# Altium PCB Reefing System Layout.PcbDoc (part 1 of 3)
Units mil, origin at the board's own origin, x right, y up, seen from the top; angles counter-clockwise.
Board outline 5531.5 x 3129.92 mil, 4 copper layers (Top Layer, Mid-Layer 1, Mid-Layer 2, Bottom Layer), stack 62.135 mil thick; 116 components, 90 nets, 494 pads, 985 vias.
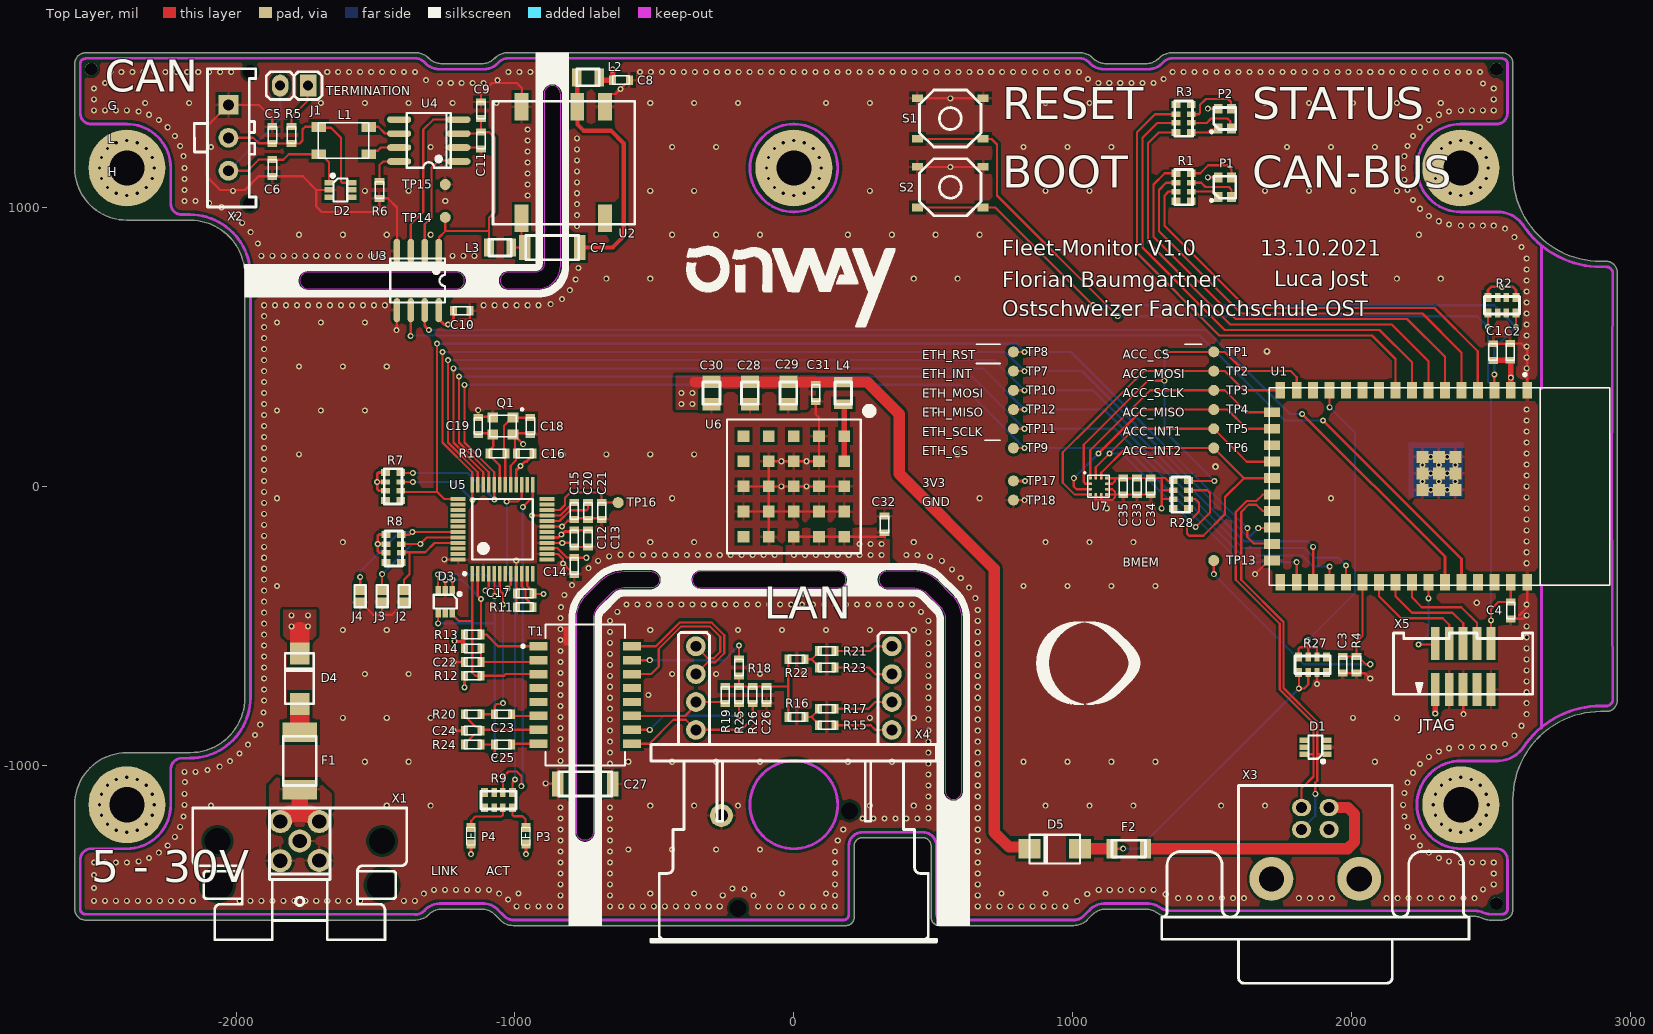
[diagram p0: Top Layer view]
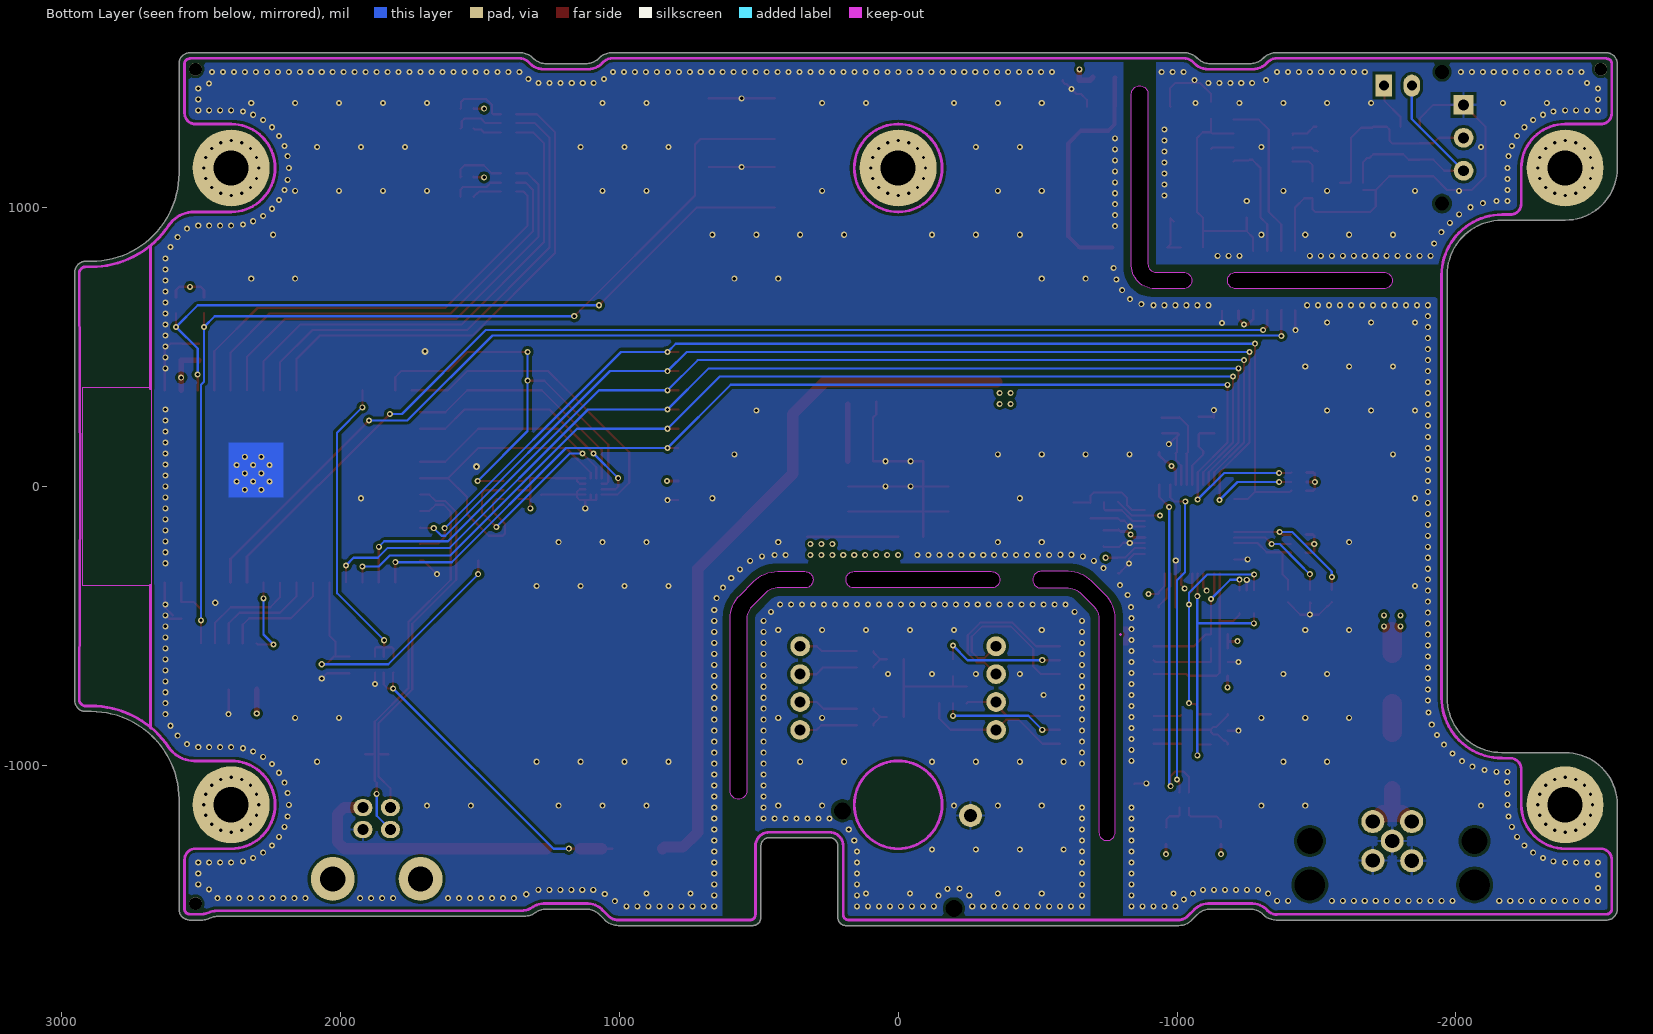
[diagram p1: Bottom Layer view, seen from below]
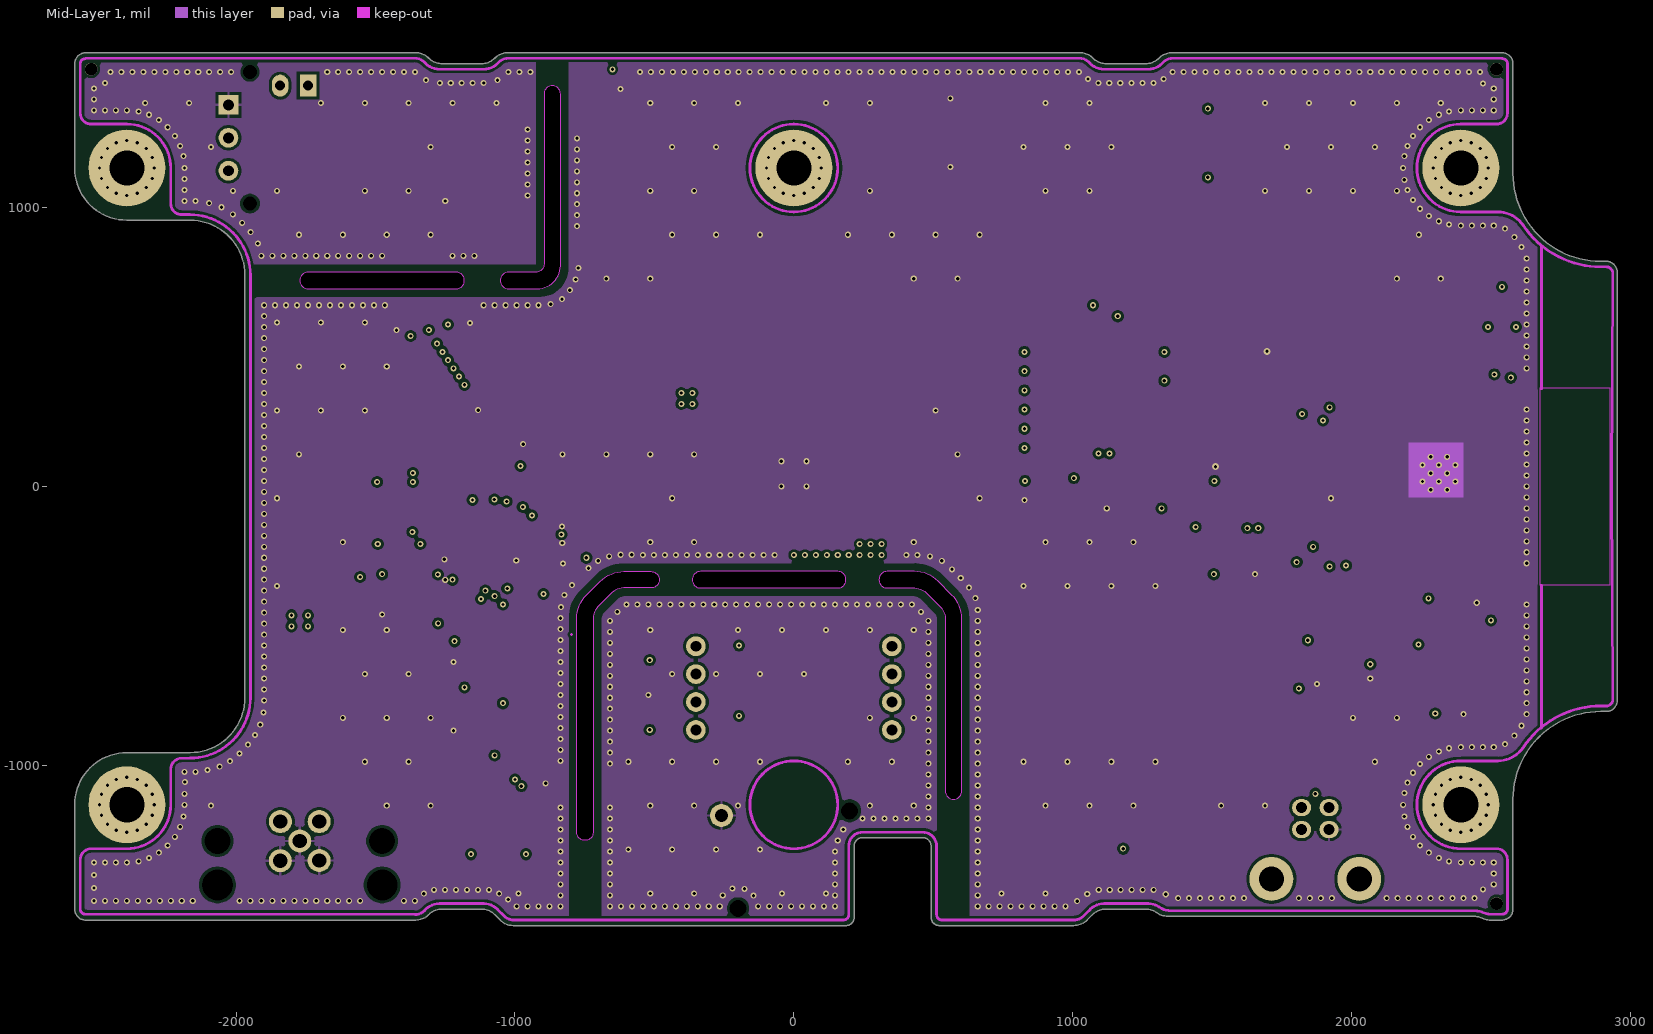
[diagram p2: Mid-Layer 1]
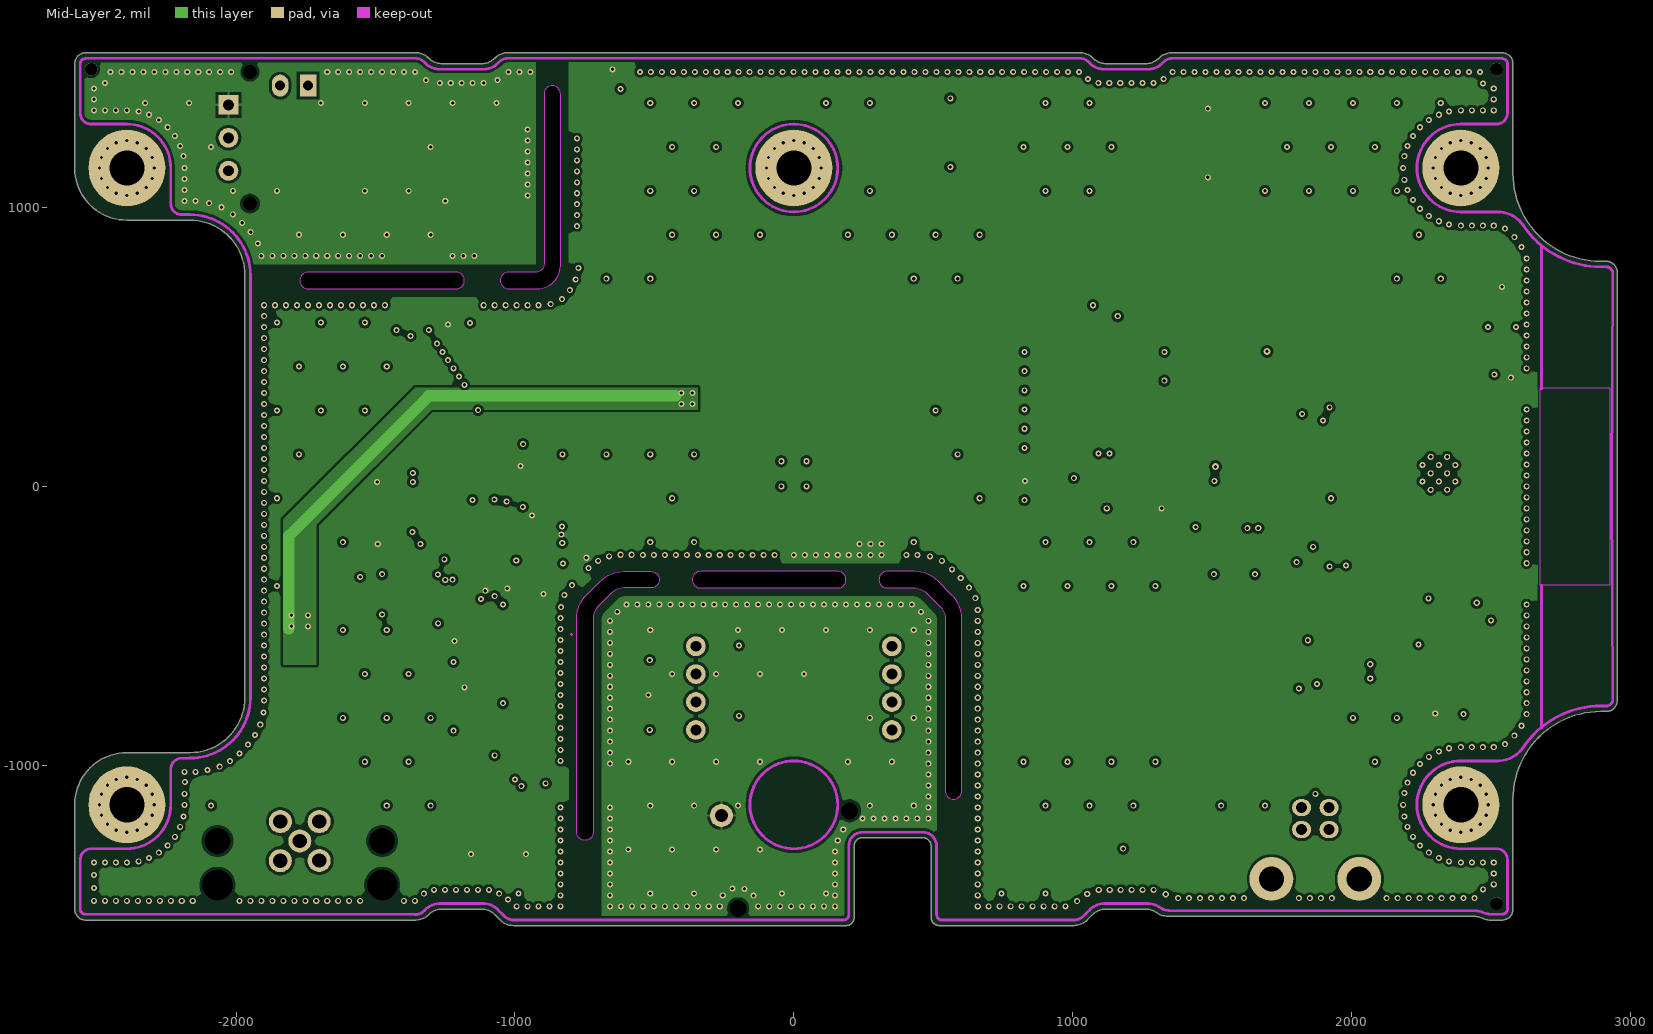
[diagram p3: Mid-Layer 2]
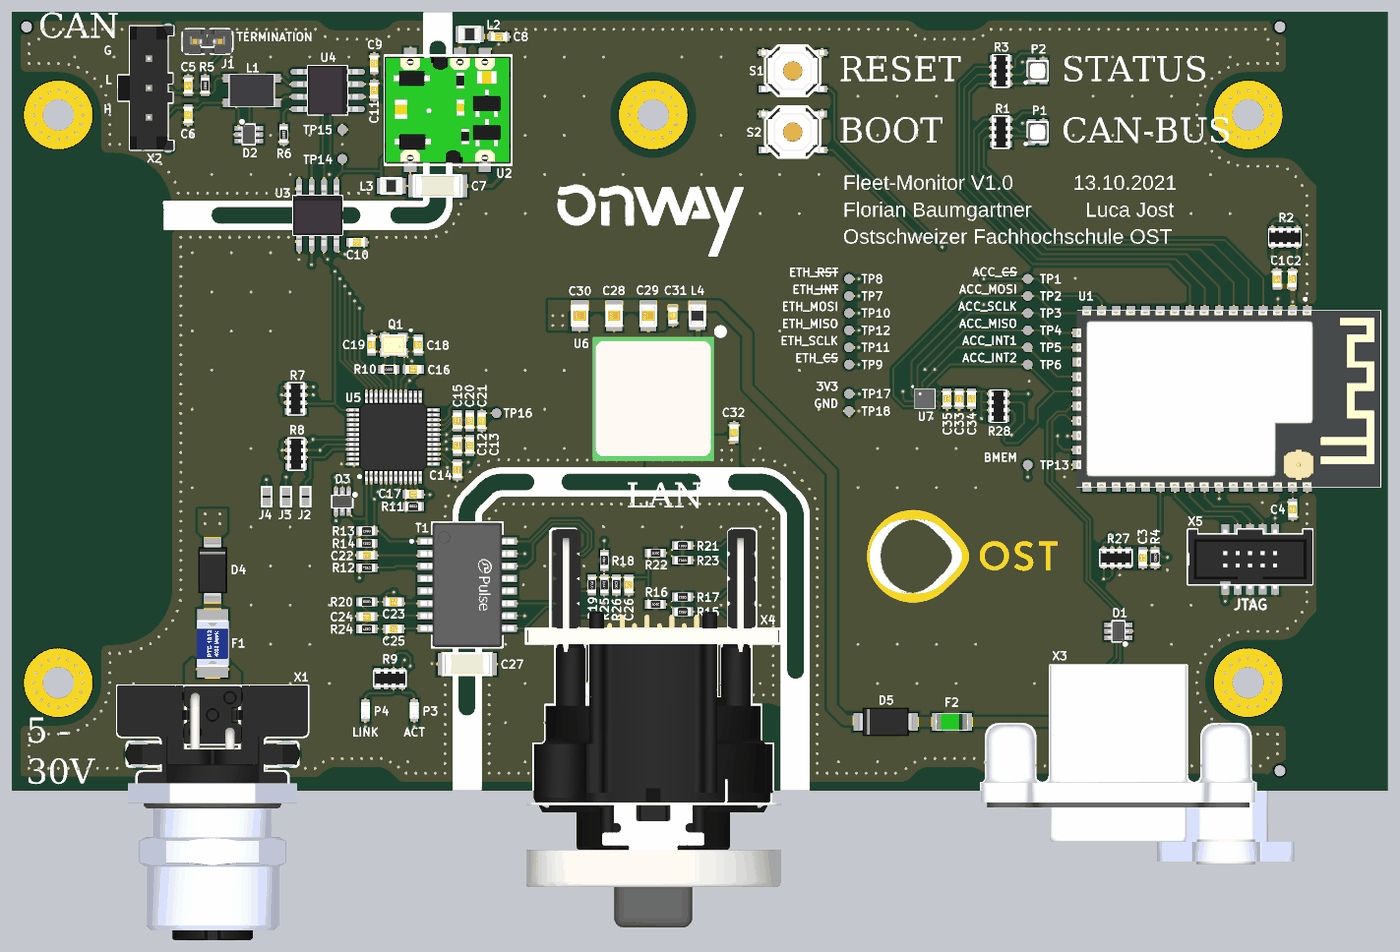
[diagram p6: 3D render of the assembled board from above, using the file's embedded part models]

## Layer stack, top to bottom
Top Solder: solder mask 0.4, Solder Resist, Dk 3.5
Top Layer: signal copper 1.4
Dielectric1: dielectric 7.874, FR-4, Dk 4.8
Mid-Layer 1: signal copper 1.4
Dielectric2: dielectric 40.7874, FR-4, Dk 4.8
Mid-Layer 2: signal copper 1.4
Dielectric3: dielectric 7.874, FR-4, Dk 4.8
Bottom Layer: signal copper 1.4
Bottom Solder: solder mask 0.4, Solder Resist, Dk 3.5

## Board outline
-2539.37,-1555.12 -1356.58,-1555.12 ccw(c-1356.58,-1487.91) -1309.06,-1535.43 cw(c-1261.53,-1582.96) -1261.53,-1515.75 -1120.36,-1515.75 cw(c-1120.36,-1582.96) -1072.83,-1535.43 -1053.15,-1555.12 ccw(c-1005.63,-1507.6) -1005.63,-1574.8 0,-1574.8 187.01,-1574.8 ccw(c187.01,-1545.28) 216.54,-1545.28 216.54,-1289.37 cw(c246.06,-1289.37) 246.06,-1259.84 462.6,-1259.84 cw(c462.6,-1289.37) 492.13,-1289.37 492.13,-1545.28 ccw(c521.65,-1545.28) 521.65,-1574.8 1003.94,-1574.8 ccw(c1003.94,-1507.59) 1051.46,-1555.12 1071.15,-1535.43 cw(c1118.67,-1582.96) 1118.67,-1515.75 1261.53,-1515.75 cw(c1261.53,-1582.96) 1299.36,-1527.4 1302.73,-1529.69 ccw(c1340.55,-1474.13) 1340.55,-1541.34 1870.08,-1541.34 2439.63,-1541.63 cw(c2439.63,-1608.84) 2468.97,-1548.37 ccw(c2498.31,-1487.91) 2498.31,-1555.12 2539.37,-1555.12 ccw(c2539.37,-1515.75) 2578.74,-1515.75 2578.74,-1122.05 cw(c2893.7,-1122.05) 2893.7,-807.09 2913.39,-807.09 ccw(c2913.39,-767.72) 2952.76,-767.72 2952.76,767.72 ccw(c2913.39,767.72) 2913.39,807.09 2893.7,807.09 cw(c2893.7,1122.05) 2578.74,1122.05 2578.74,1515.75 ccw(c2539.37,1515.75) 2539.37,1555.12 1356.58,1555.12 ccw(c1356.58,1487.91) 1309.06,1535.43 cw(c1261.53,1582.96) 1261.53,1515.75 1120.36,1515.75 cw(c1120.36,1582.96) 1072.83,1535.43 ccw(c1025.31,1487.91) 1025.31,1555.12 0,1555.12 -1025.31,1555.12 ccw(c-1025.31,1487.91) -1072.83,1535.43 cw(c-1120.36,1582.96) -1120.36,1515.75 -1261.53,1515.75 cw(c-1261.53,1582.96) -1309.06,1535.43 ccw(c-1356.58,1487.91) -1356.58,1555.12 -2539.37,1555.12 ccw(c-2539.37,1515.75) -2578.74,1515.75 -2578.74,1141.73 ccw(c-2391.73,1141.73) -2391.73,954.72 -2165.35,954.73 cw(c-2165.35,757.87) -1968.5,757.87 -1968.5,-757.87 cw(c-2165.35,-757.87) -2165.35,-954.72 -2391.73,-954.72 ccw(c-2391.73,-1141.73) -2578.74,-1141.73 -2578.74,-1515.75 ccw(c-2539.37,-1515.75)
cut-out: 542.79,-1092.52 ccw(c572.32,-1092.52) 572.32,-1122.05 ccw(c572.32,-1092.52) 601.85,-1092.52 601.85,-474.46 ccw(c481.67,-474.46) 566.65,-389.48 517.64,-340.47 ccw(c432.29,-425.82) 432.28,-305.12 334.65,-305.12 ccw(c334.65,-334.65) 305.12,-334.65 ccw(c334.65,-334.65) 334.65,-364.17 433.07,-364.17 cw(c433.07,-423.92) 475.32,-381.68 525.18,-431.53 cw(c482.67,-474.05) 542.79,-474.05
cut-out: -334.65,-305.12 ccw(c-334.65,-334.64) -364.17,-334.65 ccw(c-334.65,-334.65) -334.65,-364.17 157.48,-364.17 ccw(c157.48,-334.65) 187.01,-334.65 ccw(c157.48,-334.65) 157.48,-305.12
cut-out: -719.96,-1241.61 cw(c-748.03,-1241.61) -748.03,-1269.69 -749.49,-1269.69 cw(c-749.49,-1240.16) -779.01,-1240.16 -779.01,-474.46 cw(c-658.83,-474.46) -743.81,-389.48 -694.8,-340.47 cw(c-609.45,-425.83) -609.45,-305.12 -511.81,-305.12 cw(c-511.81,-334.65) -482.28,-334.65 cw(c-511.81,-334.65) -511.81,-364.17 -610.24,-364.17 ccw(c-610.24,-423.93) -652.49,-381.68 -702.35,-431.53 ccw(c-659.83,-474.05) -719.96,-474.05
cut-out: -1023.62,767.72 ccw(c-1023.62,738.19) -1053.15,738.19 ccw(c-1023.62,738.19) -1023.62,708.66 -919.92,708.66 ccw(c-919.92,791.97) -836.61,791.97 -836.61,1407.48 ccw(c-866.14,1407.48) -866.14,1437.01 ccw(c-866.14,1407.48) -895.67,1407.48 -895.67,797.24 cw(c-925.2,797.24) -925.2,767.72
cut-out: -1742.13,767.72 ccw(c-1742.13,738.19) -1771.65,738.19 ccw(c-1742.13,738.19) -1742.13,708.66 -1210.63,708.66 ccw(c-1210.63,738.19) -1181.1,738.19 ccw(c-1210.63,738.19) -1210.63,767.72

## Design rules (kind name [scope] priority, off if disabled: settings)
Clearance Clearance_Via [isvia AND (AsMM(HoleDiameter) = 0.2) vs isvia AND (AsMM(HoleDiameter) = 0.2)] p1: gap=9.84 ignorepadtopadclearanceinfootprint=FALSE
Clearance Clearance_Poly [InPolygon] p2: gap=10 ignorepadtopadclearanceinfootprint=FALSE
Clearance [All] p3: gap=3.5 ignorepadtopadclearanceinfootprint=FALSE except(5: SMDPad-SMDPad)
ComponentClearance [Height > 0] p1: gap=0 collisioncheckmode=3 verticalgap=1.57 showdistances=TRUE
DiffPairsRouting [All] p1: maxlimit=100 minlimit=3.5 mostfreqgap=6 toplayer_minwidth=6 toplayer_maxwidth=15 toplayer_prefwidth=6 midlayer1_minwidth=6 midlayer1_maxwidth=15 midlayer1_prefwidth=6 midlayer2_minwidth=6 midlayer2_maxwidth=15 midlayer2_prefwidth=6 bottomlayer_minwidth=6 bottomlayer_maxwidth=15 bottomlayer_prefwidth=6 maxuncoupledlength=500
Height [All] p1: minheight=0 maxheight=5905.51 prefheight=78.74
HoleSize [All] p1: absolutevalues=TRUE maxlimit=500 minlimit=7.87 maxpercent=80.000 minpercent=20.000
HoleToHoleClearance [InDrillLayerPair('Top Layer - Bottom Layer')] p1: gap=19.68 allowstackedmicrovias=FALSE
MinimumAnnularRing [All] p1: minimumring=3.94
MinimumSolderMaskSliver [All] p1: minsoldermaskwidth=0
PlaneConnect [All] p1: pad.planeconnectstyle=Relief pad.reliefexpansion=20 pad.reliefentries=4 pad.reliefconductorwidth=10 pad.reliefairgap=10 via.planeconnectstyle=Direct via.reliefexpansion=20 via.reliefentries=4 via.reliefconductorwidth=10 via.reliefairgap=10
PolygonConnect [All] p1: thpad.connectstyle=Relief thpad.reliefconductorwidth=10 thpad.reliefentries=4 thpad.polygonreliefangle="90 Angle" thpad.airgapwidth=10 smdpad.connectstyle=Relief smdpad.reliefconductorwidth=10 smdpad.reliefentries=4 smdpad.polygonreliefangle="90 Angle" smdpad.airgapwidth=10 via.connectstyle=Direct via.reliefconductorwidth=10 via.reliefentries=4 via.polygonreliefangle="90 Angle" via.airgapwidth=10
RoutingVias [All] p1: holewidth=11.81 width=24.41 viastyle="Through Hole" minholewidth=7.87 minwidth=17.32 maxholewidth=31.5 maxwidth=43.31
SilkToSilkClearance [All] p1: silktosilkclearance=0
SilkToSolderMaskClearance [IsPad] p1: minsilkscreentomaskgap=0 clearancetoexposedcopper=TRUE
SolderMaskExpansion [All] p1: expansion=4 istentingtop=FALSE
Width [Not InNet('No Net')] p1: maxlimit=157.48 minlimit=3.5 preferedwidth=10
Width Logos [All] p2: maxlimit=10 minlimit=0.1 preferedwidth=0.1
21 further rules are at their usual default settings.

## Classes and differential pairs
net class ETH_ISO: EGND NetC26_2 NetR15_1 NetR15_2 NetR17_1 NetR18_2 NetR21_1 NetR21_2 NetR23_1 NetR25_1 NetT1_12 NetT1_13 RXI_N RXI_P TXI_N TXI_P
component class Fleet-Monitor-Overview: X1 X2 X3 X4 X5
net class CAN_ISO: CAN_GND CAN_VCC NetC5_2 NetC6_2 NetC7_2 NetD2_3 NetD2_4 NetD2_5 NetJ1_1 NetL1_1 NetL1_4 NetR6_1 NetU3_2 NetU3_3 NetU4_5
component class U_Fleet-Monitor-Power: C28 C29 C30 C31 C32 D4 D5 F1 F2 L4 R27 TP17 TP18 U6
component class U_Fleet-Monitor-MCU: C1 C2 C3 C4 D1 P1 P2 R1 R2 R3 R4 S1 S2 TP1 TP2 TP3 TP4 TP5 TP6 TP7 TP8 TP9 "TP9 (CS)" TP10 TP11 TP12 TP13 U1
component class U_Fleet-Monitor-Ethernet: C12 C13 C14 C15 C16 C17 C18 C19 C20 C21 J2 J3 J4 P3 P4 Q1 R7 R8 R9 R10 R11 TP16 U5
component class U_Fleet-Monitor-Ethernet-Filter: C22 C23 C24 C25 C26 C27 D3 R12 R13 R14 R15 R16 R17 R18 R19 R20 R21 R22 R23 R24 R25 R26 T1
component class U_Fleet-Monitor-CAN: C7 C8 C9 C10 C11 L2 L3 R6 TP14 TP15 U2 U3 U4
component class U_Fleet-Monitor-CAN-Filter: C5 C6 D2 J1 L1 R5
component class U_Fleet-Monitor-Accelerometer: C33 C34 C35 R28 U7
differential pair USB_D: +USB_D_P -USB_D_N
differential pair TX: +TX_P -TX_N
differential pair TXI: +TXI_P -TXI_N
differential pair RX: +RX_P -RX_N
differential pair RXI: +RXI_P -RXI_N
